# KiCad board fmc_memory_adapter.kicad_pcb (continued)
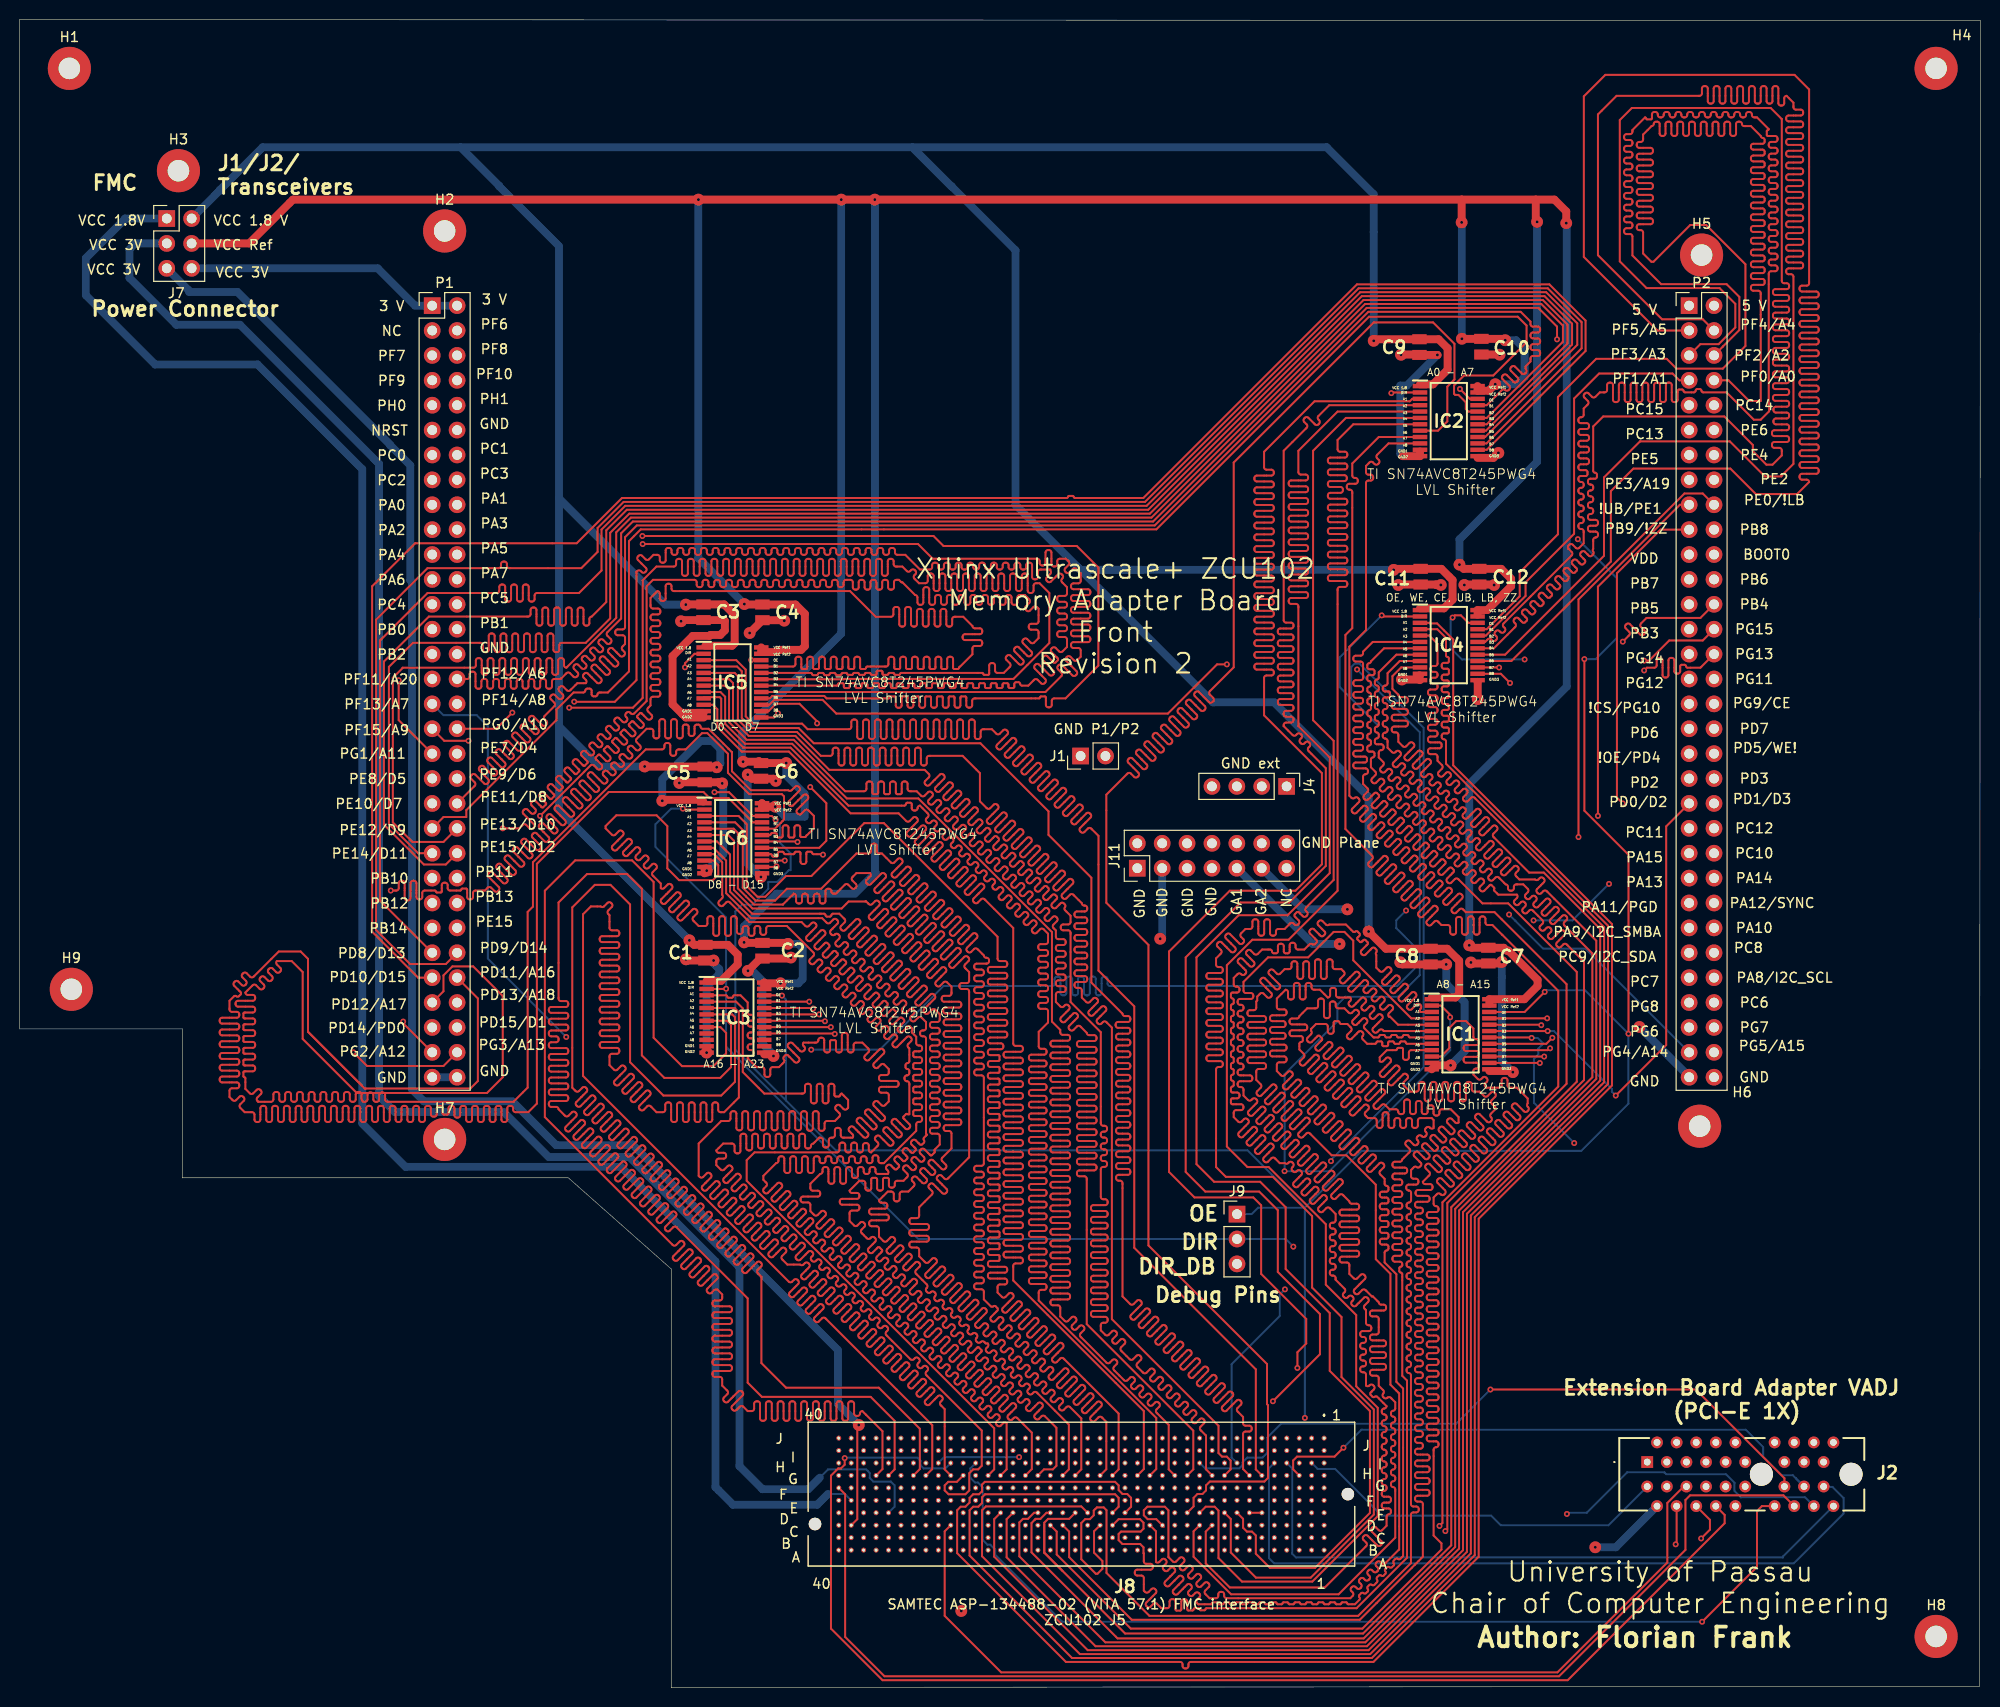
[diagram p0: board, top side]
## Routing (per net, layer and track width the routed paths; a pad name or vN(x,y) marks a point on that pad's centre or on a via; arc(x,y) is an arc through that point) (continued)
Net-(IC6-A7): length 200
  Top w0.2: J8.G27 100.73,22.25 100.73,26.97 arc(100.56,27.04) 100.39,26.97 100.13,26.71 arc(99.96,26.64) 99.79,26.71 99.7,26.8 arc(99.63,26.97) 99.7,27.14 99.96,27.4 arc(100.03,27.57) 99.96,27.74 99.88,27.82 arc(99.71,27.89) 99.54,27.82 99.28,27.56 arc(99.11,27.49) 98.94,27.56 98.85,27.65 arc(98.78,27.82) 98.85,27.99 99.11,28.25 arc(99.18,28.42) 99.11,28.59 99.03,28.67 arc(98.86,28.74) 98.69,28.67 98.43,28.41 arc(98.26,28.34) 98.09,28.41 98,28.49 arc(97.93,28.66) 98,28.83 98.27,29.1 arc(98.34,29.26) 98.27,29.43 98.18,29.52 arc(98.01,29.59) 97.84,29.52 97.58,29.26 arc(97.41,29.19) 97.24,29.26 97.16,29.34 arc(97.08,29.51) 97.16,29.68 97.42,29.94 arc(97.49,30.11) 97.42,30.28 97.33,30.37 arc(97.16,30.44) 96.99,30.37 96.73,30.11 arc(96.56,30.04) 96.39,30.11 96.31,30.19 arc(96.24,30.36) 96.31,30.53 96.57,30.79 arc(96.64,30.96) 96.57,31.13 96.48,31.22 arc(96.31,31.29) 96.14,31.22 95.88,30.95 arc(95.71,30.88) 95.54,30.95 95.46,31.04 arc(95.39,31.21) 95.46,31.38 95.72,31.64 arc(95.79,31.81) 95.72,31.98 95.63,32.07 arc(95.47,32.14) 95.3,32.07 95.03,31.8 arc(94.86,31.73) 94.69,31.8 94.61,31.89 arc(94.54,32.06) 94.61,32.23 94.87,32.49 arc(94.94,32.66) 94.87,32.83 94.79,32.91 arc(94.62,32.98) 94.45,32.91 94.19,32.65 arc(94.02,32.58) 93.85,32.65 93.76,32.74 arc(93.69,32.91) 93.76,33.08 94.02,33.34 arc(94.09,33.51) 94.02,33.68 93.94,33.76 arc(93.77,33.83) 93.6,33.76 93.34,33.5 arc(93.17,33.43) 93,33.5 92.91,33.59 arc(92.84,33.76) 92.91,33.92 93.17,34.19 arc(93.24,34.36) 93.17,34.53 93.09,34.61 arc(92.92,34.68) 92.75,34.61 92.49,34.35 arc(92.32,34.28) 92.15,34.35 92.06,34.43 arc(91.99,34.6) 92.06,34.77 92.33,35.03 arc(92.4,35.2) 92.33,35.37 92.24,35.46 arc(92.07,35.53) 91.9,35.46 91.64,35.2 arc(91.47,35.13) 91.3,35.2 91.22,35.28 arc(91.15,35.45) 91.22,35.62 91.48,35.88 arc(91.55,36.05) 91.48,36.22 91.39,36.31 arc(91.22,36.38) 91.05,36.31 90.79,36.05 arc(90.62,35.98) 90.45,36.05 90.37,36.13 arc(90.3,36.3) 90.37,36.47 90.63,36.73 arc(90.7,36.9) 90.63,37.07 90.54,37.16 arc(90.37,37.23) 90.2,37.16 89.94,36.89 arc(89.77,36.82) 89.6,36.89 89.52,36.98 arc(89.45,37.15) 89.52,37.32 89.78,37.58 arc(89.85,37.75) 89.78,37.92 89.7,38 arc(89.53,38.08) 89.36,38 89.09,37.74 arc(88.92,37.67) 88.75,37.74 88.67,37.83 arc(88.6,38) 88.67,38.17 88.93,38.43 arc(89,38.6) 88.93,38.77 88.85,38.85 arc(88.68,38.92) 88.51,38.85 88.25,38.59 arc(88.08,38.52) 87.91,38.59 87.82,38.68 arc(87.75,38.85) 87.82,39.02 88.08,39.28 arc(88.15,39.45) 88.08,39.62 88,39.7 arc(87.83,39.77) 87.66,39.7 87.4,39.44 arc(87.23,39.37) 87.06,39.44 86.97,39.53 arc(86.9,39.69) 86.97,39.86 87.23,40.13 arc(87.3,40.3) 87.23,40.47 87.15,40.55 arc(86.98,40.62) 86.81,40.55 86.55,40.29 arc(86.38,40.22) 86.21,40.29 86.12,40.37 arc(86.05,40.54) 86.12,40.71 86.39,40.97 arc(86.46,41.14) 86.39,41.31 86.3,41.4 arc(86.13,41.47) 85.96,41.4 85.7,41.14 arc(85.53,41.07) 85.36,41.14 85.28,41.22 arc(85.21,41.39) 85.28,41.56 85.54,41.82 arc(85.61,41.99) 85.54,42.16 85.45,42.25 arc(85.28,42.32) 85.11,42.25 84.85,41.99 arc(84.68,41.92) 84.51,41.99 84.43,42.07 arc(84.36,42.24) 84.43,42.41 84.69,42.67 arc(84.76,42.84) 84.69,43.01 84.6,43.1 arc(84.43,43.17) 84.26,43.1 84,42.83 arc(83.83,42.76) 83.66,42.83 83.58,42.92 arc(83.51,43.09) 83.58,43.26 83.84,43.52 arc(83.91,43.69) 83.84,43.86 83.76,43.94 arc(83.59,44.01) 83.42,43.94 83.15,43.68 arc(82.98,43.61) 82.82,43.68 82.73,43.77 arc(82.66,43.94) 82.73,44.11 82.99,44.37 arc(83.06,44.54) 82.99,44.71 82.91,44.79 arc(82.74,44.86) 82.57,44.79 82.31,44.53 arc(82.14,44.46) 81.97,44.53 81.88,44.62 arc(81.81,44.79) 81.88,44.96 82.14,45.22 arc(82.21,45.39) 82.14,45.56 82.06,45.64 arc(81.89,45.71) 81.72,45.64 81.46,45.38 arc(81.29,45.31) 81.12,45.38 81.03,45.46 arc(80.96,45.63) 81.03,45.8 81.29,46.07 arc(81.37,46.24) 81.29,46.41 81.21,46.49 arc(81.04,46.56) 80.87,46.49 80.61,46.23 arc(80.44,46.16) 80.27,46.23 80.18,46.31 arc(80.11,46.48) 80.18,46.65 80.94,47.41 arc(81.01,47.58) 80.94,47.75 80.86,47.83 arc(80.69,47.9) 80.52,47.83 79.76,47.08 arc(79.59,47.01) 79.42,47.08 79.34,47.16 arc(79.27,47.33) 79.34,47.5 80.2,48.36 arc(80.27,48.53) 80.2,48.7 80.11,48.79 arc(79.94,48.86) 79.77,48.79 78.91,47.93 arc(78.74,47.86) 78.57,47.93 78.49,48.01 arc(78.42,48.18) 78.49,48.35 79.31,49.18 arc(79.39,49.35) 79.31,49.52 79.23,49.6 arc(79.06,49.67) 78.89,49.6 78.06,48.77 arc(77.89,48.7) 77.72,48.77 77.64,48.86 arc(77.57,49.03) 77.64,49.2 78.61,50.17 arc(78.68,50.34) 78.61,50.51 78.52,50.59 arc(78.35,50.66) 78.18,50.59 77.21,49.62 arc(77.05,49.55) 76.88,49.62 76.79,49.71 arc(76.72,49.88) 76.79,50.05 77.76,51.02 arc(77.83,51.19) 77.76,51.36 77.67,51.44 arc(77.5,51.51) 77.33,51.44 76.37,50.47 arc(76.2,50.4) 76.03,50.47 75.94,50.56 arc(75.87,50.73) 75.94,50.9 76.2,51.16 arc(76.27,51.33) 76.2,51.5 75.9,51.8 75.9,52.2 77.2,53.5 arc(77.37,53.57) 77.44,53.74 77.44,53.96 arc(77.51,54.13) 77.68,54.2 77.8,54.2 arc(77.97,54.13) 78.04,53.96 78.04,52.74 arc(78.11,52.57) 78.28,52.5 78.4,52.5 arc(78.57,52.57) 78.64,52.74 78.64,53.96 arc(78.71,54.13) 78.88,54.2 79,54.2 arc(79.17,54.13) 79.24,53.96 79.24,52.74 arc(79.31,52.57) 79.48,52.5 79.6,52.5 arc(79.77,52.57) 79.84,52.74 79.84,53.96 arc(79.91,54.13) 80.08,54.2 80.2,54.2 arc(80.37,54.13) 80.44,53.96 80.44,52.74 arc(80.51,52.57) 80.68,52.5 80.8,52.5 arc(80.97,52.57) 81.04,52.74 81.04,53.96 arc(81.11,54.13) 81.28,54.2 81.4,54.2 arc(81.57,54.13) 81.64,53.96 81.64,53.74 arc(81.71,53.57) 81.88,53.5 82,53.5 arc(82.17,53.57) 82.24,53.74 82.24,53.96 arc(82.31,54.13) 82.48,54.2 82.6,54.2 arc(82.77,54.13) 82.84,53.96 82.84,53.74 arc(82.91,53.57) 83.08,53.5 83.2,53.5 arc(83.37,53.57) 83.44,53.74 83.44,53.96 arc(83.51,54.13) 83.68,54.2 83.8,54.2 arc(83.97,54.13) 84.04,53.96 84.04,53.74 arc(84.11,53.57) 84.28,53.5 84.4,53.5 arc(84.57,53.57) 84.64,53.74 84.64,53.96 arc(84.71,54.13) 84.88,54.2 85,54.2 arc(85.17,54.13) 85.24,53.96 85.24,53.74 arc(85.31,53.57) 85.48,53.5 85.6,53.5 arc(85.77,53.57) 85.84,53.74 85.84,53.96 arc(85.91,54.13) 86.08,54.2 86.2,54.2 arc(86.37,54.13) 86.44,53.96 86.44,53.74 arc(86.51,53.57) 86.68,53.5 86.8,53.5 arc(86.97,53.57) 87.04,53.74 87.04,54.06 arc(87.11,54.23) 87.28,54.3 87.4,54.3 arc(87.57,54.23) 87.64,54.06 87.64,53.74 arc(87.71,53.57) 87.88,53.5 88.2,53.5 91.5,56.8 91.5,57.47 arc(91.57,57.64) 91.74,57.71 91.86,57.71 arc(92.03,57.78) 92.1,57.95 92.1,58.07 arc(92.03,58.24) 91.86,58.31 91.35,58.31 arc(91.24,58.35) 91.2,58.46 91.2,58.76 arc(91.24,58.87) 91.35,58.91 91.86,58.91 arc(92.03,58.98) 92.1,59.15 92.1,59.27 arc(92.03,59.44) 91.86,59.51 91.35,59.51 arc(91.24,59.55) 91.2,59.66 91.2,59.96 arc(91.24,60.07) 91.35,60.11 91.86,60.11 arc(92.03,60.18) 92.1,60.35 92.1,60.47 arc(92.03,60.64) 91.86,60.71 91.35,60.71 arc(91.24,60.75) 91.2,60.86 91.2,61.16 arc(91.24,61.27) 91.35,61.31 91.86,61.31 arc(92.03,61.38) 92.1,61.55 92.1,61.67 arc(92.03,61.84) 91.86,61.91 91.35,61.91 arc(91.24,61.95) 91.2,62.06 91.2,62.36 arc(91.24,62.47) 91.35,62.51 91.86,62.51 arc(92.03,62.58) 92.1,62.75 92.1,62.87 arc(92.03,63.04) 91.86,63.11 91.35,63.11 arc(91.24,63.15) 91.2,63.26 91.2,63.56 arc(91.24,63.67) 91.35,63.71 91.86,63.71 arc(92.03,63.78) 92.1,63.95 92.1,64.07 arc(92.03,64.24) 91.86,64.31 91.35,64.31 arc(91.24,64.35) 91.2,64.46 91.2,64.76 arc(91.24,64.87) 91.35,64.91 91.86,64.91 arc(92.03,64.98) 92.1,65.15 92.1,65.27 arc(92.03,65.44) 91.86,65.51 91.74,65.51 arc(91.57,65.58) 91.5,65.75 91.5,66.4 91.08,66.82 arc(91.04,66.93) 91.08,67.03 arc(91.12,67.14) 91.08,67.25 90.87,67.46 arc(90.76,67.5) 90.65,67.46 90.08,66.88 arc(89.91,66.81) 89.74,66.88 89.66,66.97 arc(89.59,67.14) 89.66,67.31 90.25,67.9 arc(90.3,68.02) 90.25,68.15 90.07,68.32 arc(89.95,68.37) 89.82,68.32 89.23,67.73 arc(89.06,67.66) 88.89,67.73 88.81,67.82 arc(88.74,67.99) 88.81,68.16 89.4,68.75 arc(89.45,68.87) 89.4,69 89.22,69.17 arc(89.1,69.22) 88.98,69.17 88.38,68.58 arc(88.22,68.51) 88.05,68.58 87.96,68.67 arc(87.89,68.84) 87.96,69.01 88.55,69.6 arc(88.6,69.72) 88.55,69.84 88.37,70.02 arc(88.25,70.07) 88.13,70.02 87.54,69.43 arc(87.37,69.36) 87.2,69.43 87.11,69.52 arc(87.04,69.68) 87.11,69.85 87.7,70.44 arc(87.75,70.57) 87.7,70.69 87.53,70.87 arc(87.4,70.92) 87.28,70.87 86.69,70.28 arc(86.52,70.21) 86.35,70.28 86.26,70.36 arc(86.19,70.53) 86.26,70.7 86.85,71.29 arc(86.91,71.42) 86.85,71.54 86.68,71.72 arc(86.55,71.77) 86.43,71.72 85.84,71.13 arc(85.67,71.06) 85.5,71.13 85.42,71.21 arc(85.34,71.38) 85.42,71.55 86.01,72.14 arc(86.06,72.27) 86.01,72.39 85.83,72.57 arc(85.71,72.62) 85.58,72.57 84.99,71.98 arc(84.82,71.91) 84.65,71.98 84.57,72.06 arc(84.5,72.23) 84.57,72.4 85.16,72.99 arc(85.21,73.11) 85.16,73.24 84.98,73.41 arc(84.86,73.47) 84.73,73.41 84.14,72.82 arc(83.97,72.75) 83.8,72.82 83.72,72.91 arc(83.65,73.08) 83.72,73.25 84.31,73.84 arc(84.36,73.96) 84.31,74.09 84.13,74.26 arc(84.01,74.31) 83.88,74.26 83.29,73.67 arc(83.12,73.6) 82.95,73.67 82.87,73.76 arc(82.8,73.93) 82.87,74.1 83.46,74.69 arc(83.51,74.81) 83.46,74.93 83.28,75.11 arc(83.16,75.16) 83.04,75.11 82.45,74.52 arc(82.28,74.45) 82.11,74.52 82.02,74.61 arc(81.95,74.78) 82.02,74.95 82.61,75.54 arc(82.66,75.66) 82.61,75.78 82.43,75.96 arc(82.31,76.01) 82.19,75.96 81.6,75.37 arc(81.43,75.3) 81.26,75.37 81.17,75.45 arc(81.1,75.62) 81.17,75.79 82.18,76.8 arc(82.25,76.97) 82.18,77.14 82.09,77.22 arc(81.92,77.29) 81.75,77.22 80.75,76.22 arc(80.58,76.15) 80.41,76.22 80.32,76.3 arc(80.25,76.47) 80.32,76.64 81.26,77.58 arc(81.33,77.75) 81.26,77.92 81.17,78 arc(81,78.07) 80.83,78 80.54,77.7 arc(80.37,77.63) 80.2,77.7 79.8,78.1 74.48,78.1 72.46,80.12 arc(72.29,80.19) 72.12,80.12 71.8,79.79 arc(71.63,79.72) 71.46,79.79 71.37,79.88 arc(71.3,80.05) 71.37,80.22 71.7,80.54 arc(71.77,80.71) 71.7,80.88 71.7,84.2 70.87,85.03 IC6.9
Net-(IC6-A8): length 200
  Top w0.2: J8.G28 99.46,22.25 99.46,26.44 74.2,51.7 74.2,53.8 75,54.6 83.42,54.6 arc(83.59,54.67) 83.66,54.84 83.66,55.36 arc(83.73,55.53) 83.9,55.6 84.02,55.6 arc(84.19,55.53) 84.26,55.36 84.26,54.84 arc(84.33,54.67) 84.5,54.6 84.62,54.6 arc(84.79,54.67) 84.86,54.84 84.86,55.36 arc(84.93,55.53) 85.1,55.6 85.22,55.6 arc(85.39,55.53) 85.46,55.36 85.46,54.84 arc(85.53,54.67) 85.7,54.6 85.82,54.6 arc(85.99,54.67) 86.06,54.84 86.06,55.31 arc(86.13,55.48) 86.3,55.55 86.42,55.55 arc(86.59,55.48) 86.66,55.31 86.66,54.84 arc(86.73,54.67) 86.9,54.6 87.57,55.27 arc(87.64,55.44) 87.57,55.61 87.35,55.84 arc(87.28,56) 87.35,56.17 87.43,56.26 arc(87.6,56.33) 87.77,56.26 88.7,55.33 arc(88.87,55.26) 89.04,55.33 89.12,55.42 arc(89.2,55.59) 89.12,55.76 88.2,56.68 arc(88.13,56.85) 88.2,57.02 88.28,57.11 arc(88.45,57.18) 88.62,57.11 89.55,56.18 arc(89.72,56.11) 89.89,56.18 89.97,56.26 arc(90.04,56.43) 89.97,56.6 89.05,57.53 arc(88.98,57.7) 89.05,57.87 89.13,57.96 arc(89.3,58.03) 89.47,57.96 90.4,57.03 arc(90.57,56.96) 90.74,57.03 90.82,57.11 arc(90.89,57.28) 90.82,57.45 90.2,58.07 arc(90.17,58.16) 90.2,58.25 90.45,58.5 arc(90.54,58.54) 90.63,58.5 arc(90.71,58.46) 90.8,58.5 90.8,61.62 arc(90.73,61.79) 90.56,61.86 90.54,61.86 arc(90.37,61.93) 90.3,62.1 90.3,62.22 arc(90.37,62.39) 90.54,62.46 90.56,62.46 arc(90.73,62.53) 90.8,62.7 90.8,62.91 arc(90.74,63.05) 90.6,63.1 arc(90.46,63.16) 90.41,63.3 90.41,63.51 arc(90.46,63.65) 90.6,63.7 arc(90.74,63.76) 90.8,63.9 90.8,65.2 90.68,65.32 arc(90.61,65.49) 90.68,65.66 90.98,65.95 arc(91.05,66.12) 90.98,66.29 90.89,66.37 arc(90.72,66.44) 90.55,66.37 89.55,65.38 arc(89.39,65.31) 89.22,65.38 89.13,65.46 arc(89.06,65.63) 89.13,65.8 89.5,66.17 arc(89.57,66.33) 89.5,66.5 89.41,66.59 arc(89.24,66.66) 89.07,66.59 88.71,66.22 arc(88.54,66.15) 88.37,66.22 88.28,66.31 arc(88.21,66.48) 88.28,66.65 88.65,67.01 arc(88.72,67.18) 88.65,67.35 88.56,67.44 arc(88.39,67.51) 88.22,67.44 87.86,67.07 arc(87.69,67) 87.52,67.07 87.43,67.16 arc(87.36,67.33) 87.43,67.5 87.8,67.86 arc(87.87,68.03) 87.8,68.2 87.71,68.29 arc(87.54,68.36) 87.37,68.29 87.01,67.92 arc(86.84,67.85) 86.67,67.92 86.58,68.01 arc(86.51,68.18) 86.58,68.35 86.95,68.71 arc(87.02,68.88) 86.95,69.05 86.86,69.14 arc(86.7,69.21) 86.53,69.14 86.16,68.77 arc(85.99,68.7) 85.82,68.77 85.74,68.85 arc(85.67,69.02) 85.74,69.19 86.1,69.56 arc(86.17,69.73) 86.1,69.9 86.02,69.98 arc(85.85,70.05) 85.68,69.98 85.31,69.62 arc(85.14,69.55) 84.97,69.62 84.89,69.7 arc(84.82,69.87) 84.89,70.04 85.25,70.41 arc(85.32,70.58) 85.25,70.75 85.17,70.83 arc(85,70.9) 84.83,70.83 84.46,70.47 arc(84.29,70.4) 84.12,70.47 84.04,70.55 arc(83.97,70.72) 84.04,70.89 84.4,71.26 arc(84.47,71.43) 84.4,71.6 84.32,71.68 arc(84.15,71.75) 83.98,71.68 83.62,71.32 arc(83.45,71.25) 83.28,71.32 83.19,71.4 arc(83.12,71.57) 83.19,71.74 83.56,72.1 arc(83.63,72.27) 83.56,72.44 83.47,72.53 arc(83.3,72.6) 83.13,72.53 82.77,72.16 arc(82.6,72.09) 82.43,72.16 82.34,72.25 arc(82.27,72.42) 82.34,72.59 82.71,72.95 arc(82.78,73.12) 82.71,73.29 82.62,73.38 arc(82.45,73.45) 82.28,73.38 81.92,73.01 arc(81.75,72.94) 81.58,73.01 81.49,73.1 arc(81.42,73.27) 81.49,73.44 81.86,73.8 arc(81.93,73.97) 81.86,74.14 81.77,74.23 arc(81.6,74.3) 81.43,74.23 81.07,73.86 arc(80.9,73.79) 80.73,73.86 80.65,73.95 arc(80.57,74.12) 80.65,74.29 81.01,74.65 arc(81.08,74.82) 81.01,74.99 78.3,77.7 76.43,77.7 arc(76.26,77.63) 76.19,77.46 76.19,77.04 arc(76.12,76.87) 75.95,76.8 75.83,76.8 arc(75.66,76.87) 75.59,77.04 75.59,77.46 arc(75.52,77.63) 75.35,77.7 75.23,77.7 arc(75.06,77.63) 74.99,77.46 74.99,76.94 arc(74.92,76.77) 74.75,76.7 74.63,76.7 arc(74.46,76.77) 74.39,76.94 74.39,77.46 arc(74.32,77.63) 74.15,77.7 74.03,77.7 arc(73.86,77.63) 73.79,77.46 73.79,77.14 arc(73.72,76.97) 73.55,76.9 73.43,76.9 arc(73.26,76.97) 73.19,77.14 73.19,78.46 arc(73.12,78.63) 72.95,78.7 72.83,78.7 arc(72.66,78.63) 72.59,78.46 72.59,76.94 arc(72.52,76.77) 72.35,76.7 72.23,76.7 arc(72.06,76.77) 71.99,76.94 71.99,78.46 arc(71.92,78.63) 71.75,78.7 71.63,78.7 arc(71.46,78.63) 71.39,78.46 71.39,76.94 arc(71.32,76.77) 71.15,76.7 71.03,76.7 arc(70.86,76.77) 70.79,76.94 70.79,78.46 arc(70.72,78.63) 70.55,78.7 70.43,78.7 arc(70.26,78.63) 70.19,78.46 70.19,77.94 arc(70.12,77.77) 69.95,77.7 69.3,77.7 68.74,78.26 arc(68.67,78.43) 68.74,78.6 69.11,78.97 arc(69.18,79.13) 69.11,79.3 69.02,79.39 arc(68.86,79.46) 68.69,79.39 67.61,78.31 arc(67.44,78.24) 67.27,78.31 67.19,78.4 arc(67.12,78.57) 67.19,78.74 68.26,79.81 arc(68.33,79.98) 68.26,80.15 68.18,80.24 arc(68.01,80.31) 67.84,80.24 66.76,79.16 arc(66.59,79.09) 66.42,79.16 66.34,79.25 arc(66.27,79.42) 66.34,79.59 67.41,80.66 arc(67.48,80.83) 67.41,81 67.33,81.09 arc(67.16,81.16) 66.99,81.09 65.91,80.01 arc(65.74,79.94) 65.57,80.01 65.49,80.1 arc(65.42,80.27) 65.49,80.44 66.56,81.51 arc(66.63,81.68) 66.56,81.85 66.48,81.93 arc(66.31,82.01) 66.14,81.93 65.77,81.57 arc(65.6,81.5) 65.43,81.57 65.43,82.03 64.61,82.86 arc(64.54,83.03) 64.61,83.2 64.97,83.57 arc(65.04,83.74) 64.97,83.91 64.89,83.99 arc(64.72,84.06) 64.55,83.99 64.18,83.62 arc(64.01,83.55) 63.84,83.62 63.76,83.71 arc(63.69,83.88) 63.76,84.05 64.12,84.42 arc(64.2,84.59) 64.12,84.76 64.04,84.84 arc(63.87,84.91) 63.7,84.84 63.33,84.47 arc(63.16,84.4) 62.99,84.47 62.91,84.56 arc(62.84,84.73) 62.91,84.9 63.28,85.26 arc(63.35,85.43) 63.28,85.6 63.19,85.69 arc(63.02,85.76) 62.85,85.69 62.06,84.9 arc(61.89,84.83) 61.72,84.9 61.64,84.98 arc(61.57,85.15) 61.64,85.32 62.43,86.11 arc(62.5,86.28) 62.43,86.45 62.34,86.54 arc(62.17,86.61) 62,86.54 60.93,85.46 arc(60.76,85.39) 60.59,85.46 60.5,85.55 arc(60.43,85.72) 60.5,85.89 61.58,86.96 arc(61.65,87.13) 61.58,87.3 61.49,87.39 arc(61.32,87.46) 61.16,87.39 60.79,87.02 arc(60.62,86.95) 60.45,87.02 59.8,87.67 59.8,87.9 60.9,89 65,89 66.1,87.9 66.1,83.58 67.3,82.38 70.75,82.38 71.3,82.93 71.3,83.9 70.82,84.38 IC6.10
Net-(IC6-B1): length 239.3
  Top w0.2: 34.92,61.41 29.43,66.91 ; 34.92,61.41 29.43,66.91 ; 34.92,61.41 35.27,61.06 35.33,61.12 46.01,61.12 46.77,61.88 46.77,70.31 P1.56 ; 29.43,66.91 29.43,74.35 28.68,75.1 26.45,75.1 23.87,72.52 arc(23.7,72.45) 23.53,72.52 23.16,72.89 arc(22.99,72.96) 22.82,72.89 22.74,72.8 arc(22.67,72.63) 22.74,72.46 23.11,72.1 arc(23.18,71.93) 23.11,71.76 23.02,71.67 arc(22.85,71.6) 22.68,71.67 22.32,72.04 arc(22.15,72.11) 21.98,72.04 21.89,71.95 arc(21.82,71.78) 21.89,71.61 22.55,70.95 arc(22.6,70.83) 22.55,70.71 22.37,70.53 arc(22.25,70.48) 22.13,70.53 arc(22,70.58) 21.88,70.53 21.42,70.07 21.42,69.18 arc(21.49,69.01) 21.66,68.94 22.18,68.94 arc(22.35,68.87) 22.42,68.7 22.42,68.58 arc(22.35,68.41) 22.18,68.34 20.66,68.34 arc(20.49,68.27) 20.42,68.1 20.42,67.98 arc(20.49,67.81) 20.66,67.74 22.18,67.74 arc(22.35,67.67) 22.42,67.5 22.42,67.38 arc(22.35,67.21) 22.18,67.14 20.66,67.14 arc(20.49,67.07) 20.42,66.9 20.42,66.78 arc(20.49,66.61) 20.66,66.54 22.18,66.54 arc(22.35,66.47) 22.42,66.3 22.42,66.18 arc(22.35,66.01) 22.18,65.94 20.66,65.94 arc(20.49,65.87) 20.42,65.7 20.42,65.58 arc(20.49,65.41) 20.66,65.34 22.18,65.34 arc(22.35,65.27) 22.42,65.1 22.42,64.98 arc(22.35,64.81) 22.18,64.74 20.66,64.74 arc(20.49,64.67) 20.42,64.5 20.42,64.38 arc(20.49,64.21) 20.66,64.14 22.18,64.14 arc(22.35,64.07) 22.42,63.9 22.42,63.78 arc(22.35,63.61) 22.18,63.54 20.66,63.54 arc(20.49,63.47) 20.42,63.3 20.42,63.18 arc(20.49,63.01) 20.66,62.94 22.18,62.94 arc(22.35,62.87) 22.42,62.7 22.42,62.58 arc(22.35,62.41) 22.18,62.34 20.66,62.34 arc(20.49,62.27) 20.42,62.1 20.42,61.98 arc(20.49,61.81) 20.66,61.74 22.18,61.74 arc(22.35,61.67) 22.42,61.5 22.42,61.38 arc(22.35,61.21) 22.18,61.14 21.66,61.14 arc(21.49,61.07) 21.42,60.9 21.42,60.25 21.75,59.92 arc(21.92,59.85) 22.09,59.92 22.45,60.29 arc(22.62,60.36) 22.79,60.29 22.88,60.2 arc(22.95,60.04) 22.88,59.87 22.51,59.5 arc(22.44,59.33) 22.51,59.16 22.97,58.7 23.73,58.7 arc(23.9,58.63) 23.97,58.46 23.97,57.94 arc(24.04,57.77) 24.21,57.7 24.33,57.7 arc(24.5,57.77) 24.57,57.94 24.57,59.11 arc(24.64,59.28) 24.81,59.35 24.93,59.35 arc(25.1,59.28) 25.17,59.11 25.17,57.94 arc(25.24,57.77) 25.41,57.7 25.53,57.7 arc(25.7,57.77) 25.77,57.94 25.77,59.11 arc(25.84,59.28) 26.01,59.35 26.13,59.35 arc(26.3,59.28) 26.37,59.11 26.37,57.94 arc(26.44,57.77) 26.61,57.7 26.73,57.7 arc(26.9,57.77) 26.97,57.94 26.97,59.11 arc(27.04,59.28) 27.21,59.35 27.33,59.35 arc(27.5,59.28) 27.57,59.11 27.57,57.94 arc(27.64,57.77) 27.81,57.7 27.93,57.7 arc(28.1,57.77) 28.17,57.94 28.17,59.11 arc(28.24,59.28) 28.41,59.35 28.53,59.35 arc(28.7,59.28) 28.77,59.11 28.77,57.94 arc(28.84,57.77) 29.01,57.7 29.13,57.7 arc(29.3,57.77) 29.37,57.94 29.37,59.11 arc(29.44,59.28) 29.61,59.35 29.73,59.35 arc(29.9,59.28) 29.97,59.11 29.97,57.94 arc(30.04,57.77) 30.21,57.7 30.33,57.7 arc(30.5,57.77) 30.57,57.94 30.57,59.11 arc(30.64,59.28) 30.81,59.35 30.93,59.35 arc(31.1,59.28) 31.17,59.11 31.17,57.94 arc(31.24,57.77) 31.41,57.7 31.53,57.7 arc(31.7,57.77) 31.77,57.94 31.77,59.11 arc(31.84,59.28) 32.01,59.35 32.13,59.35 arc(32.3,59.28) 32.37,59.11 32.37,57.94 arc(32.44,57.77) 32.61,57.7 32.73,57.7 arc(32.9,57.77) 32.97,57.94 32.97,59.11 arc(33.04,59.28) 33.21,59.35 33.33,59.35 arc(33.5,59.28) 33.57,59.11 33.57,57.94 arc(33.64,57.77) 33.81,57.7 33.93,57.7 arc(34.1,57.77) 34.17,57.94 34.17,59.11 arc(34.24,59.28) 34.41,59.35 34.53,59.35 arc(34.7,59.28) 34.77,59.11 34.77,57.94 arc(34.84,57.77) 35.01,57.7 35.13,57.7 arc(35.3,57.77) 35.37,57.94 35.37,59.11 arc(35.44,59.28) 35.61,59.35 35.73,59.35 arc(35.9,59.28) 35.97,59.11 35.97,57.94 arc(36.04,57.77) 36.21,57.7 36.33,57.7 arc(36.5,57.77) 36.57,57.94 36.57,59.11 arc(36.64,59.28) 36.81,59.35 36.93,59.35 arc(37.1,59.28) 37.17,59.11 37.17,57.94 arc(37.24,57.77) 37.41,57.7 37.53,57.7 arc(37.7,57.77) 37.77,57.94 37.77,59.11 arc(37.84,59.28) 38.01,59.35 38.13,59.35 arc(38.3,59.28) 38.37,59.11 38.37,57.94 arc(38.44,57.77) 38.61,57.7 38.73,57.7 arc(38.9,57.77) 38.97,57.94 38.97,59.11 arc(39.04,59.28) 39.21,59.35 39.33,59.35 arc(39.5,59.28) 39.57,59.11 39.57,57.94 arc(39.64,57.77) 39.81,57.7 39.93,57.7 arc(40.1,57.77) 40.17,57.94 40.17,59.11 arc(40.24,59.28) 40.41,59.35 40.53,59.35 arc(40.7,59.28) 40.77,59.11 40.77,57.94 arc(40.84,57.77) 41.01,57.7 41.13,57.7 arc(41.3,57.77) 41.37,57.94 41.37,59.11 arc(41.44,59.28) 41.61,59.35 41.73,59.35 arc(41.9,59.28) 41.97,59.11 41.97,58.48 arc(42.04,58.32) 42.19,58.25 42.35,58.25 arc(42.5,58.32) 42.57,58.48 42.57,59.11 arc(42.64,59.28) 42.81,59.35 42.93,59.35 arc(43.1,59.28) 43.17,59.11 43.17,58.58 arc(43.21,58.49) 43.29,58.45 43.65,58.45 arc(43.73,58.49) 43.77,58.58 43.77,59.11 arc(43.84,59.28) 44.01,59.35 44.13,59.35 arc(44.3,59.28) 44.37,59.11 44.37,58.39 arc(44.44,58.22) 44.61,58.15 44.73,58.15 arc(44.9,58.22) 44.97,58.39 44.97,59.11 arc(45.04,59.28) 45.21,59.35 45.33,59.35 arc(45.5,59.28) 45.57,59.11 45.57,57.94 arc(45.64,57.77) 45.81,57.7 45.93,57.7 arc(46.1,57.77) 46.17,57.94 46.17,59.11 arc(46.24,59.28) 46.41,59.35 46.53,59.35 arc(46.7,59.28) 46.77,59.11 46.77,57.94 arc(46.84,57.77) 47.01,57.7 47.13,57.7 arc(47.3,57.77) 47.37,57.94 47.37,59.11 arc(47.44,59.28) 47.61,59.35 47.73,59.35 arc(47.9,59.28) 47.97,59.11 47.97,57.94 arc(48.04,57.77) 48.21,57.7 48.33,57.7 arc(48.5,57.77) 48.57,57.94 48.57,59.11 arc(48.64,59.28) 48.81,59.35 48.93,59.35 arc(49.1,59.28) 49.17,59.11 49.17,57.94 arc(49.24,57.77) 49.41,57.7 49.53,57.7 arc(49.7,57.77) 49.77,57.94 49.77,59.11 arc(49.84,59.28) 50.01,59.35 50.13,59.35 arc(50.3,59.28) 50.37,59.11 50.37,58.94 arc(50.44,58.77) 50.61,58.7 51.91,58.7 52.79,59.58 52.79,84.05 60.12,91.38 69.79,91.38 70.41,90.75 72.35,90.75 74.82,88.28 IC6.21
